# KiCad board panel_rp2354_20x20.kicad_pcb (continued)
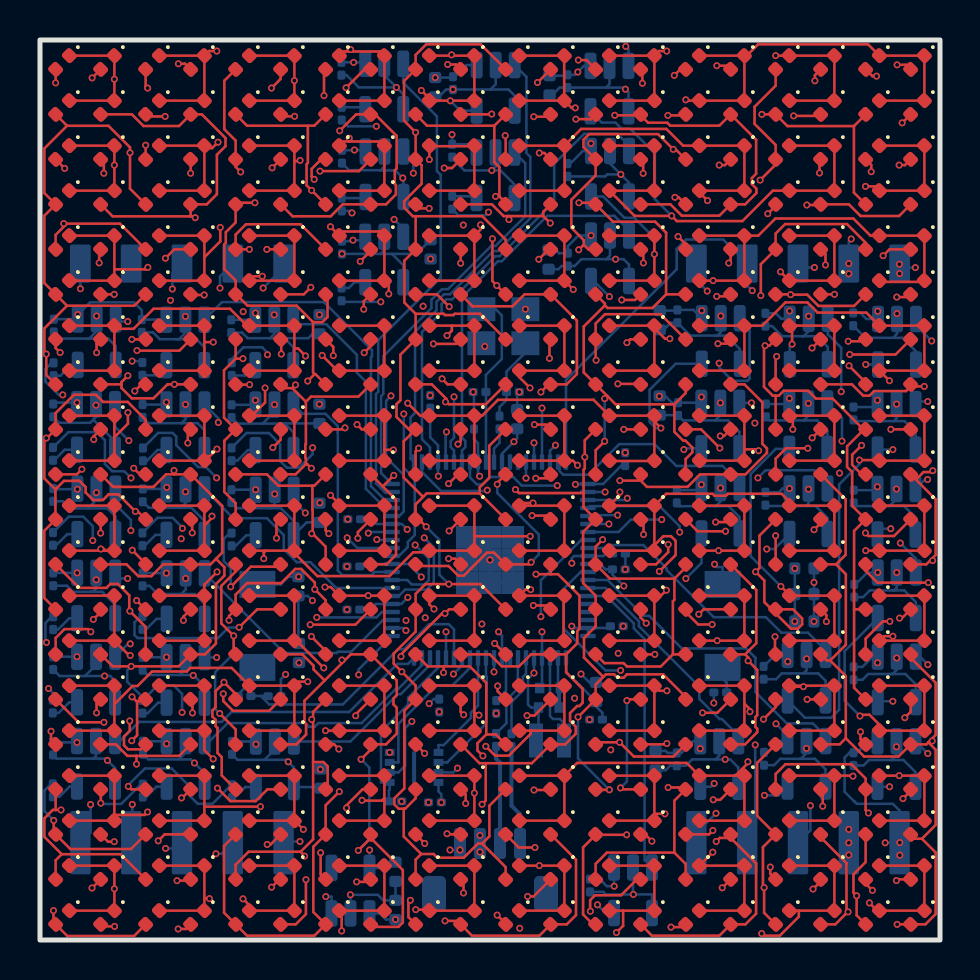
[diagram p0: board, top side]
## Routing (per net, layer and track width the routed paths; a pad name or vN(x,y) marks a point on that pad's centre or on a via; arc(x,y) is an arc through that point) (continued)
  In2.Cu w0.127: v1(42.47,27.96) 42.27,27.76 42.27,25.78 42.11,25.62 42.11,25.32 42.27,25.16 42.27,20.81 42.17,20.72 42.17,19.46 42.27,19.36 42.27,16.22 42.13,16.08 42.13,15.78 42.27,15.64 42.27,7.87 v1(42.48,7.66)
  Bottom w0.127: U39.5 v1(42.48,7.66)
/drivers/ROW_17: length 98.3
  Top w0.127: 17.22,33.06 D158.1 D138.1 ; 17.22,33.06 D118.1 17.01,35.43 15.18,35.43 D98.1 ; 17.22,33.06 17.44,32.84 v1(17.44,32.3) ; D58.1 D78.1 8.22,34.14 ; D18.1 D38.1 8.22,34.14 ; 8.22,34.14 9.01,34.93 v1(9.01,35.63) ; D238.1 26.22,32.97 26.22,35.22 D198.1 D178.1 ; D238.1 D218.1 ; D238.1 v1(26.66,32.52) ; D298.1 v1(33.66,32.97) D318.1 D278.1 ; D278.1 35.91,35.22 36.77,36.07 40.67,36.07 41.52,35.22 D338.1 D358.1 D398.1 44.16,32.91 42.03,32.91 D378.1 ; D278.1 D258.1 ; v1(14.52,35.66) D98.1 ; D98.1 14.97,35.02
  In1.Cu w0.127: v1(14.52,35.66) 14.49,35.63 v1(9.01,35.63) ; v1(17.44,32.3) 17.5,32.36 19.46,32.36 19.52,32.3 26.44,32.3 v1(26.66,32.52) 27.11,32.97 v1(33.66,32.97)
  In2.Cu w0.127: v1(33.66,32.97) 34.69,31.93 34.69,14.48 34.53,14.32 34.53,10.49 33.34,9.3 33.34,7.68 33.64,7.38 36.08,7.38 v1(36.22,7.23)
  Bottom w0.127: U40.5 36.94,7.23 v1(36.22,7.23)
/drivers/ROW_18: length 108.9
  Top w0.127: v1(15.46,40.09) 15.46,39.93 ; 15.46,39.93 15.18,39.93 D99.1 ; 15.46,39.93 17.01,39.93 D119.1 D159.1 D139.1 ; D339.1 D359.1 D399.1 D379.1 41.76,37.68 v1(41.28,37.68) ; v1(8.9,39.89) 8.6,39.6 8.22,39.6 ; 8.22,39.6 D79.1 D59.1 ; 8.22,39.6 D39.1 D19.1 ; D199.1 26.23,39.71 26.23,37.48 D239.1 D219.1 ; D199.1 27.05,40.55 31.32,40.55 32.15,39.72 D259.1 D279.1 D319.1 D299.1 32.97,37.38 v1(33.38,36.97) ; D199.1 D179.1
  In1.Cu w0.127: v1(8.9,39.89) 9.1,40.09 v1(15.46,40.09) 15.53,40.02 19.31,40.02 21.53,37.8 32.55,37.8 v1(33.38,36.97) 33.98,37.58 41.17,37.58 v1(41.28,37.68)
  In2.Cu w0.127: v1(33.38,36.97) 34.95,35.4 34.95,14.38 34.79,14.22 34.79,8.9 v1(33.71,7.83)
  Bottom w0.127: v1(33.71,7.83) 33.55,7.66 U41.5
/drivers/ROW_19: length 110.2
  Top w0.127: D240.1 26.21,41.98 26.21,44.21 D200.1 D180.1 ; D240.1 D220.1 ; D240.1 26.58,41.61 v1(26.76,41.61) ; v1(8.84,44.45) 8.45,44.45 D40.1 ; D100.1 15.18,44.43 15.32,44.43 ; D380.1 D400.1 D360.1 D340.1 41.4,44.78 35.91,44.78 35.22,44.1 ; D260.1 D280.1 35.22,44.1 ; v1(15.53,44.52) 15.41,44.52 15.32,44.43 ; 15.32,44.43 17.01,44.43 D120.1 D160.1 D140.1 ; 35.22,44.1 D320.1 D300.1 32.33,41.97 v1(32.29,42.01) ; D40.1 D80.1 D60.1 ; D40.1 D20.1
  In1.Cu w0.127: v1(8.84,44.45) 8.91,44.52 v1(15.53,44.52) 18.87,44.52 20.09,43.3 23.18,43.3 24.88,41.61 v1(26.76,41.61) 31.89,41.61 v1(32.29,42.01)
  In2.Cu w0.127: v1(26.76,41.61) 27.96,40.41 27.96,30.7 28.21,30.44 28.21,27.56 27.61,26.97 27.61,20.02 27.87,19.76 v1(27.87,1.76)
  Bottom w0.127: v1(27.87,1.76) 28.28,1.35 U42.5
/drivers/ROW_MCU_00: length 23
  Bottom w0.127: U2.21 18.53,24.07 18.53,26.13 18.75,26.35 18.75,30.41 19.83,31.49 19.83,31.91 20.2,32.29 20.5,32.29 22.66,34.45 22.88,34.45 24.52,36.08 24.52,39.16 24.32,39.35 24.32,43.16 23.73,43.74
/drivers/ROW_MCU_01: length 30.7
  In2.Cu w0.127: v1(29.29,44.68) 26.39,41.78 26.39,38.32 21.85,33.78 21.85,29.51 22.36,29 v1(22.36,22.49)
  Bottom w0.127: U24.3 29.42,44.54 v1(29.29,44.68) ; U2.22 19.1,23.4 20.05,22.45 22.32,22.45 v1(22.36,22.49)
/drivers/ROW_MCU_02: length 23
  Bottom w0.127: U2.23 19.5,24.64 19.1,25.04 19.1,30.4 20.08,31.38 20.08,31.8 20.31,32.03 20.61,32.03 22.77,34.19 22.98,34.19 25.71,36.92 25.71,38.81 27.21,40.31 28.86,40.31 29.45,39.72 U25.3
/drivers/ROW_MCU_03: length 26.1
  In1.Cu w0.127: v1(20.32,25.4) 26.01,25.4 27.1,26.49 34.17,26.49 35.16,27.48 39.99,27.48 v1(40.06,27.41)
  Bottom w0.127: v1(20.32,25.4) 20.28,25.36 20.28,23.92 U2.25 ; U26.3 39.39,30.28 40.06,29.61 v1(40.06,27.41)
/drivers/ROW_MCU_04: length 22.6
  In1.Cu w0.127: v1(33.96,28.84) 28.69,28.84 28.45,28.6 22.14,28.6 v1(20.7,27.16)
  Bottom w0.127: U27.3 35.48,30.6 35.48,28.07 35.37,27.96 34.63,27.96 33.96,28.63 v1(33.96,28.84) ; v1(20.7,27.16) 20.7,25.11 20.53,24.95 20.53,24.64 20.7,24.48 U2.26
/drivers/ROW_MCU_05: length 19
  Bottom w0.127: U2.27 21.1,24.48 21.27,24.64 21.27,24.95 21.1,25.11 21.1,32.14 22.9,33.94 23.09,33.94 25.36,36.21 28.72,36.21 29.45,35.48 U28.3
/drivers/ROW_MCU_06: length 25.8
  In1.Cu w0.127: v1(40.1,24.95) 40.68,24.36 41.14,24.36 41.4,24.11 41.4,23.9 41.11,23.61 40.25,23.61 40.14,23.72 34.33,23.72 34.09,23.49 29.08,23.49 28.96,23.36 26.51,23.36 v1(25.86,22.72)
  Bottom w0.127: v1(25.86,22.72) 24.09,22.72 23.66,23.15 22.51,23.15 22.13,22.78 21.85,22.78 21.5,23.13 U2.28 ; v1(40.1,24.95) 40.1,26.1 U29.3
/drivers/ROW_MCU_07: length 13.3
  In1.Cu w0.127: v1(24.7,24.86) 24.98,25.14 27.3,25.14 28.39,26.24 34.95,26.24 v1(35.57,26.86)
  Bottom w0.127: U30.3 v1(35.57,26.86) ; U2.36 v1(24.7,24.86)
/drivers/ROW_MCU_08: length 25.1
  In1.Cu w0.127: v1(44.58,29.95) 42.97,28.34 29.24,28.34 29.15,28.43 28.64,28.43 28.55,28.34 26.84,28.34 v1(25.1,26.6)
  Bottom w0.127: U31.3 43.8,30.73 v1(44.58,29.95) ; U2.37 v1(25.1,26.6)
/drivers/ROW_MCU_09: length 18.6
  In1.Cu w0.127: v1(35.74,25.85) 35.6,25.98 28.76,25.98 27.65,24.87 25.9,24.87 v1(25.77,24.74)
  In2.Cu w0.127: v1(35.74,25.85) 35.57,25.67 35.57,23.44 v1(35.9,23.1)
  Bottom w0.127: v1(25.77,24.74) 25.5,24.47 U2.38 ; U32.3 39.38,22.83 38.72,23.49 36.28,23.49 v1(35.9,23.1)
/drivers/ROW_MCU_10: length 11.2
  Bottom w0.127: U2.39 25.98,23.82 25.98,23.45 26.16,23.27 27.43,23.27 28.96,24.79 30.73,24.79 31.82,23.7 34.12,23.7 34.97,22.85 U33.3
/drivers/ROW_MCU_11: length 20.4
  In1.Cu w0.127: v1(28.88,21.24) 29.39,21.24 30.55,22.4 33.22,22.4 33.79,22.98 35.51,22.98 35.75,22.74 36.05,22.74 36.29,22.98 40.83,22.98 41.65,23.8 41.65,24.13 44.39,26.86 v1(44.39,26.92)
  Bottom w0.127: v1(44.39,26.92) 43.91,26.92 U34.3 ; U2.45 27.44,21.24 v1(28.88,21.24)
/drivers/ROW_MCU_12: length 17.9
  In1.Cu w0.127: v1(43.02,19.85) 36.56,19.85 36.49,19.91 34.25,19.91 33.39,20.77 31.81,20.77 31.7,20.66 28.59,20.66 v1(28.45,20.8)
  Bottom w0.127: U2.46 v1(28.45,20.8) ; v1(43.02,19.85) 43.79,19.08 U35.3
/drivers/ROW_MCU_13: length 18.9
  In1.Cu w0.127: v1(31.09,21.02) 31.33,21.26 42.62,21.26 v1(44.38,23.02)
  Bottom w0.127: v1(31.09,21.02) 29.55,21.02 28.92,20.4 U2.47 ; U36.3 44.25,23.02 v1(44.38,23.02)
/drivers/ROW_MCU_14: length 28.7
  In1.Cu w0.127: v1(44.39,13.77) 44.39,12.79 42.92,11.31 41.88,11.31 39.76,13.44 30.44,13.44 27.71,16.17 v1(25.04,16.17)
  Bottom w0.127: U2.48 27.06,20 25.04,17.99 v1(25.04,16.17) ; U37.3 43.99,14.17 v1(44.39,13.77)
/drivers/ROW_MCU_15: length 14.4
  Bottom w0.127: U38.3 39.28,14.48 38.4,15.37 37.07,15.37 36.29,16.14 33.69,16.14 31.33,18.5 31.33,18.58 30.17,19.75 28.38,19.75 28.23,19.6 U2.49
/drivers/ROW_MCU_16: length 25.2
  In1.Cu w0.127: v1(29.03,13.48) 29.39,13.12 39.68,13.12 42.34,10.46 43.26,10.46 v1(44.39,9.32)
  Bottom w0.127: v1(29.03,13.48) 28.27,13.48 26.19,15.56 26.19,17.56 27.03,18.4 U2.52 ; v1(44.39,9.32) U39.3
/drivers/ROW_MCU_17: length 16.4
  Bottom w0.127: U2.53 28.38,18 30.17,16.21 30.46,16.21 32.09,14.58 35.3,14.58 35.77,14.11 35.77,12.4 37.34,10.83 38.64,10.83 39.28,10.2 U40.3
/drivers/ROW_MCU_18: length 11.4
  Bottom w0.127: U2.54 28.28,17.6 29.94,15.93 29.94,15.69 32.97,12.67 32.97,12.06 33.97,11.05 34.09,11.05 34.91,10.23 U41.3
/drivers/ROW_MCU_19: length 15.4
  Bottom w0.127: U42.3 30.23,4 30.23,15.05 29.69,15.58 29.69,15.83 28.32,17.2 U2.55
/panel_header/CS0: length 32.8
  In1.Cu w0.127: v1(28.54,9.51) 27.45,8.42 21.38,8.42 21.12,8.17 16.32,8.17 13.09,4.93 v1(13,4.93)
  In2.Cu w0.127: v1(28.54,9.51) 28.54,20.37 29.3,21.13 29.3,21.36 v1(28.25,22.4)
  Bottom w0.127: J3.5 12.24,4.93 v1(13,4.93) ; U2.42 v1(28.25,22.4)
/panel_header/CS1: length 36.4
  In2.Cu w0.127: v1(8.8,4.31) 8.8,6.27 4.48,10.59 4.34,10.59 4.07,10.85 4.07,11.25 4,11.32 4,12.57 4.12,12.69 4.12,17.14 4.01,17.25 4.01,18.78 4.18,18.95 4.18,24.72 4.08,24.82 4.08,25.52 6.29,27.73 6.29,28.07 10.82,32.6 v1(11.16,32.6)
  Bottom w0.127: v1(11.16,32.6) 12.18,33.62 J5.5 ; J3.4 9.09,4.31 v1(8.8,4.31)
/panel_header/CS2: length 33.9
  In2.Cu w0.127: v1(9,32.6) 9,32.23 3.82,27.05 3.82,24.71 3.92,24.61 3.92,19.06 3.75,18.89 3.75,16.85 3.87,16.73 3.87,12.8 3.74,12.67 3.74,11.22 3.82,11.14 3.82,10.18 4.84,9.16 4.98,9.16 6.28,7.86 v1(6.28,4.58)
  Bottom w0.127: v1(6.28,4.58) 6.81,4.58 J3.3 ; v1(9,32.6) 9,33.18 J5.4
/panel_header/CS4: length 31.2
  In2.Cu w0.127: v1(6.62,32.55) 6.54,32.55 3.57,29.58 3.57,20.97 3.67,20.87 3.67,19.16 3.5,18.99 3.5,16.75 3.61,16.63 3.61,13.03 3.49,12.9 3.49,11.11 3.56,11.04 3.56,9.63 4.05,9.14 4.05,7.35 v1(4.61,6.78)
  Bottom w0.127: v1(6.62,32.55) 6.62,33.34 J5.3 ; v1(4.61,6.78) 4.61,4.92 J3.2
/panel_header/EINT: length 29.7
  In2.Cu w0.127: v1(2.53,6.77) 2.26,7.05 2.26,15.18 2.18,15.26 2.18,15.56 2.26,15.64 2.26,20.24 2.19,20.31 2.19,20.92 2.26,20.99 2.26,23.18 2.46,23.39 2.46,23.69 2.26,23.9 2.26,32.33 v1(2.02,32.56)
  Bottom w0.127: J3.1 2.53,5.37 v1(2.53,6.77) ; v1(2.02,32.56) J5.1
/panel_header/MISO: length 36.5
  In2.Cu w0.127: v1(33.8,6.33) 32.32,7.81 32.32,16.19 32.67,16.53 32.67,19.71 v1(31.98,20.39) 32.57,20.98 32.57,31.66 v1(33.36,32.45)
  Bottom w0.127: v1(31.98,20.39) 31.98,20.68 30.97,21.69 27.49,21.69 U2.44 ; v1(33.36,32.45) 32.82,32.99 J4.1 ; J2.1 32.82,5.35 v1(33.8,6.33)
/panel_header/MOSI: length 47.5
  In2.Cu w0.127: v1(35.76,9.75) 35.04,10.47 35.04,14.11 35.26,14.33 35.26,19.68 36.3,20.72 36.3,28.5 35.61,29.18 v1(35.61,32.47)
  Bottom w0.127: v1(35.61,32.47) 35.36,32.72 J4.2 34.16,35.03 32.3,35.03 31.84,34.56 31.84,33.54 26.3,28 U2.40 ; J2.2 35.76,5.27 v1(35.76,9.75)
/panel_header/SCK: length 45.8
  In1.Cu w0.127: v1(29.36,22.09) 30.51,23.23 35.45,23.23 35.69,23.47 39.85,23.47 v1(39.98,23.35)
  In2.Cu w0.127: v1(38.72,33.62) 38.03,32.93 38.03,23.37 38.05,23.35 ; v1(38.52,6.72) 37.81,7.43 37.81,14.13 38.12,14.44 38.12,22.23 38.05,22.3 38.05,23.35 ; 38.05,23.35 v1(39.98,23.35)
  Bottom w0.127: v1(29.36,22.09) 29.28,22 U2.43 ; J4.3 38.1,33.62 v1(38.72,33.62) ; J2.3 38.52,5.49 v1(38.52,6.72)
/panel_mcu/D+: length 4.9
  Bottom w0.2: R7.1 22.8,9.07 23,8.87 J1.3
/panel_mcu/D-: length 5
  Bottom w0.2: R8.1 23.58,6.72 24,6.29 J1.4
/panel_mcu/QSPI_SCLK: length 6.5
  Bottom w0.127: U2.71 22.3,13.19 22.34,13.15 22.34,10.86 20.36,8.88 U1.6
/panel_mcu/QSPI_SD0: length 5.7
  Bottom w0.127: U1.5 19.92,9.75 20.18,9.75 21.55,11.11 21.55,11.37 21.9,11.72 U2.72
/panel_mcu/QSPI_SD1: length 8.3
  In2.Cu w0.127: v1(20.67,13.3) 20.47,13.1 20.47,11.4 20,10.93 v1(18.59,10.93)
  Bottom w0.127: U2.74 21.1,13.73 v1(20.67,13.3) ; U1.2 17.92,8.38 18.26,8.72 18.26,10.6 v1(18.59,10.93)
/panel_mcu/QSPI_SD2: length 7.6
  Bottom w0.127: U1.3 17.92,8.88 17.92,10.81 19.85,12.74 20.63,12.74 21.5,13.61 U2.73
/panel_mcu/QSPI_SD3: length 7.4
  In2.Cu w0.127: v1(20.87,8.59) 20.82,8.65 20.82,11.52 v1(22.7,13.4)
  Bottom w0.127: U2.70 v1(22.7,13.4) ; v1(20.87,8.59) 20.66,8.38 U1.7
/panel_mcu/QSPI_SS: length 13.9
  Bottom w0.127: U2.75 20.7,15.53 20.44,15.79 19.45,15.79 18.2,14.53 17.9,14.53 15.14,11.78 11.46,11.78 11.04,12.2 ; R3.1 11.04,12.2 ; 11.04,12.2 11.4,12.2 R4.2
/panel_mcu/RUN: length 13.4
  In1.Cu w0.127: v1(33.73,18.79) 33.11,19.41 30.24,19.41 30.24,19.42 27.94,19.42 24.3,23.06 v1(24.3,23.09)
  Bottom w0.127: v1(33.73,18.79) 33.87,18.65 34.13,18.65 SW2.2 ; U2.35 v1(24.3,23.09)
/panel_mcu/VREG_AVDD: length 3.8
  Bottom w0.127: R6.2 28.12,11.36 27.8,11.68 C7.1 26.79,12.93 26.78,12.93 26.3,13.41 U2.61
/panel_mcu/VREG_LX: length 4.6
  Bottom w0.127: L1.2 26.2,10.85 26,11.05 25.65,11.05 25.5,11.2 U2.63
/panel_mcu/XIN: length 8.8
  Bottom w0.127: U2.30 22.3,27.39 22.3,27.4 22.3,27.5 ; 22.3,27.5 22.3,27.5 ; 22.3,27.5 22.3,28.25 23.09,29.05 23.09,31.23 22.78,31.54 Y1.1
/panel_mcu/XIP_CS1n: length 8.8
  Bottom w0.127: 17.44,6.93 17.44,7.47 17.48,7.51 U1.1 17.05,7.88 17.05,10.42 18.41,11.78 18.41,12.11 19.9,13.61 U2.77
/panel_mcu/XOUT: length 1.8
  Bottom w0.127: U2.31 22.7,24.58 22.97,24.85 R5.1
/panel_mcu/~{USB_BOOT}: length 1.8
  Bottom w0.127: SW1.2 10.87,13.24 9.91,12.28 R3.2
Net-(C2-Pad1): length 4.2
  Bottom w0.127: R5.2 22.97,26.65 23.33,27 C2.1 23.33,28.42 24.27,29.37 Y1.3
Net-(D1-A): length 105.2
  Top w0.127: D19.2 5.28,39.74 v1(5.28,39.74) ; 0.78,6.5 v1(1.05,6.5) ; 0.78,6.5 D9.2 ; 0.78,6.5 0.64,6.5 0.22,6.08 0.22,5.16 1.09,4.29 ; D20.2 5.28,42.7 v1(5.38,42.6) ; v1(4.83,16.97) 5.27,16.53 D14.2 ; D11.2 4.02,4.29 1.09,4.29 ; 0.77,22.53 0.22,23.08 0.22,25 v1(0.32,25.1) 0.35,25.1 D5.2 0.78,26.35 1.69,27.26 2.8,27.26 3.15,26.9 4.39,26.9 5.28,26.01 D16.2 ; 0.77,22.53 1.2,22.96 1.97,22.96 2.28,22.65 2.28,22.38 2.66,22 3.15,22 3.43,22.28 3.92,22.28 v1(4.77,21.43) 4.89,21.43 D15.2 ; 0.77,22.53 0.77,21.04 D6.2 0.21,20.46 0.21,17.1 D7.2 ; D4.2 0.78,29.6 v1(1.01,29.37) ; 4.86,11.94 4.86,10.23 v1(4.59,9.96) ; 4.86,11.94 5.19,11.94 D13.2 ; 4.86,11.94 4.82,11.94 v1(4.6,12.16) ; D17.2 v1(4.6,30.03) ; v1(0.78,42.86) D1.2 ; 1.27,35.74 0.78,35.26 D3.2 ; 1.27,35.74 1.34,35.82 4,35.82 D18.2 ; 1.27,35.74 v1(1.19,35.82) ; 1.09,4.29 0.78,3.99 D10.2 ; D2.2 v1(1.23,38.58) ; D8.2 1.93,10.89 v1(3.2,10.89) ; D12.2 4.56,7.53 v1(4.41,7.68)
  In1.Cu w0.127: v1(5.28,39.74) 2.39,39.74 v1(1.23,38.58) ; v1(3.2,10.89) 3.33,10.89 v1(4.6,12.16) ; v1(1.01,29.37) 1.67,30.03 v1(4.6,30.03) ; v1(1.05,6.5) 2.23,7.68 v1(4.41,7.68) 4.41,9.79 v1(4.59,9.96)
  In2.Cu w0.127: v1(5.38,42.6) 5.28,42.5 v1(5.28,39.74) ; v1(0.32,25.1) 0.32,28.68 v1(1.01,29.37) 1.19,29.55 v1(1.19,35.82) 1.23,35.87 v1(1.23,38.58) D2.2 v1(0.78,42.86) ; v1(4.77,21.43) 5.08,21.12 5.08,17.22 v1(4.83,16.97) 5.02,16.78 5.02,12.57 v1(4.6,12.16)
  Bottom w0.127: R9.2 9.58,7.77 8.63,6.81 7.88,6.81 7.36,7.34 7.36,7.8 6.58,8.57 5.24,8.57 4.41,7.74 v1(4.41,7.68)
Net-(D21-A): length 103.7
  Top w0.127: D35.2 7.61,20.95 v1(7.61,20.36) ; v1(7.39,24.85) 7.39,25.39 D36.2 ; D23.2 2.96,34.46 v1(2.96,33.86) ; v1(7.53,38.34) D39.2 ; D27.2 3.03,16.4 v1(2.67,16.03) ; D25.2 2.69,25.19 v1(2.69,25.02) ; D22.2 3.19,38.87 v1(3.19,38.34) ; v1(2.83,29.37) 2.83,29.83 D24.2 ; D33.2 7.62,11.94 v1(7.62,11.35) ; v1(3.03,20.34) D26.2 ; D32.2 7.1,7.1 v1(7.07,7.1) ; v1(6.92,43.81) 7.25,43.81 D40.2 ; D31.2 7.47,2.97 v1(6.85,2.97) ; v1(3.04,6.85) 3.04,7.52 D29.2 ; v1(7.17,15.98) 7.17,16.17 D34.2 ; v1(4.85,29.47) 4.85,29.47 6.97,29.47 D37.2 ; D38.2 6.72,34.53 v1(6.27,34.09) ; D21.2 v1(2.6,43.1) ; D28.2 2.83,11.83 v1(2.83,11.36) ; D30.2 v1(2.6,2.6)
  In1.Cu w0.127: v1(6.92,43.81) 3.31,43.81 v1(2.6,43.1) ; v1(2.83,29.37) 2.94,29.47 v1(4.85,29.47) ; v1(6.27,34.09) 3.19,34.09 v1(2.96,33.86) ; v1(7.62,11.35) 7.07,10.8 v1(7.07,7.1) 7.03,7.15 3.34,7.15 v1(3.04,6.85) ; v1(7.17,15.98) 7.12,16.03 v1(2.67,16.03)
  In2.Cu w0.127: 2.83,16.03 2.91,15.95 2.91,15.26 2.83,15.18 v1(2.83,11.36) 2.83,7.06 v1(3.04,6.85) 3.04,3.04 v1(2.6,2.6) ; 2.83,16.03 2.67,16.03 v1(2.67,16.03) ; 2.83,16.03 3.21,16.41 3.21,19.15 3.42,19.36 3.42,19.96 v1(3.03,20.34) 3.22,20.53 3.22,24.96 3.15,25.02 ; v1(2.6,43.1) 2.6,38.92 v1(3.19,38.34) 2.96,38.1 v1(2.96,33.86) 3.2,33.62 3.2,29.73 v1(2.83,29.37) 3.21,28.98 3.21,25.09 3.15,25.02 ; v1(7.07,7.1) 7.07,3.19 v1(6.85,2.97) ; 3.15,25.02 2.69,25.02 v1(2.69,25.02) ; v1(7.39,24.85) 7.67,24.57 7.67,20.41 v1(7.61,20.36) 7.71,20.26 7.71,16.52 v1(7.17,15.98) ; v1(7.53,38.34) 6.27,37.08 v1(6.27,34.09)
  Bottom w0.127: v1(3.04,6.85) 3.09,6.8 4.06,6.8 5.05,7.79 R10.2
Net-(D41-A): length 119.3
  Top w0.127: D55.2 5.28,18.82 v1(4.61,19.49) ; D58.2 4.71,31.71 1.35,31.71 ; D45.2 1.84,23.28 v1(2.1,23.54) ; D48.2 0.55,10.01 v1(0.55,10.44) ; 1.35,31.71 0.22,30.58 0.22,29.39 v1(0.31,29.3) 0.31,28.25 D44.2 ; 1.35,31.71 D43.2 0.22,32.85 0.22,36.22 D42.2 0.22,37.35 0.22,39.58 1.35,40.71 ; D41.2 1.35,40.71 ; 1.35,40.71 3.42,40.71 4.5,39.63 v1(4.5,39.36) 4.5,37.56 D59.2 ; v1(2.54,15.41) 2.41,15.54 1.22,15.54 0.78,15.1 D47.2 ; D54.2 5.28,15.66 v1(4.49,16.45) 4.46,16.48 4.46,17.23 3.9,17.8 3.51,17.8 3.32,17.61 1.96,17.61 D46.2 ; D52.2 4.55,4.55 1.51,4.55 D49.2 0.69,5.38 v1(0.69,5.98) ; D57.2 5.07,27.78 v1(4.74,27.45) ; D60.2 5.39,41.18 v1(6.26,41.18) ; v1(4.69,23.59) 4.99,23.28 D56.2 ; D51.2 4.7,0.2 1.36,0.2 D50.2 0.67,0.89 v1(0.67,1.47) ; v1(4.49,10.95) 4.49,10.46 4.2,10.18 4.2,9.73 4.4,9.53 5.03,9.53 D53.2
  In1.Cu w0.127: v1(0.69,5.98) 0.69,5.98 0.69,7.15 v1(4.49,10.95) ; 2.16,23.6 v1(2.1,23.54) 1.44,22.88 1.44,17.31 2.3,16.45 ; 2.16,23.6 4.67,23.6 v1(4.69,23.59) ; 2.16,23.6 0.72,25.05 0.72,27.63 ; v1(0.31,29.3) 0.31,28.04 0.72,27.63 ; 0.72,27.63 4.56,27.63 v1(4.74,27.45) ; v1(2.54,15.41) 2.3,15.65 2.3,16.45 ; 2.3,16.45 v1(4.49,16.45)
  In2.Cu w0.127: v1(0.67,1.47) 0.69,1.48 v1(0.69,5.98) 0.69,5.98 0.69,10.44 ; 0.69,10.44 0.8,10.55 0.8,22.24 v1(2.1,23.54) ; 0.69,10.44 v1(0.55,10.44) ; v1(6.26,41.18) 6.26,40.17 5.45,39.36 v1(4.5,39.36) ; v1(4.61,19.49) 4.78,19.32 4.78,17.91 4.42,17.55 4.42,16.52 v1(4.49,16.45)
  Bottom w0.127: R11.2 0.55,7.81 0.22,7.48 0.22,6.44 v1(0.69,5.98)
Net-(D61-A): length 102.8
  Top w0.127: 4.07,27.78 4.07,27.6 4.59,27.08 5.67,27.08 6.37,27.78 v1(6.72,27.78) D77.2 ; 4.07,27.78 4.07,27.89 v1(4.39,28.22) ; 4.07,27.78 D64.2 ; 8.8,19.06 8.53,18.78 D75.2 6.16,18.78 5.57,18.19 4.91,18.19 4.32,18.78 D66.2 ; 8.8,19.06 9.11,19.37 9.11,21.7 D76.2 6.7,23.28 ; 8.8,19.06 9.22,18.64 9.22,18.22 8.8,17.8 8.8,14.82 8.25,14.28 D74.2 6.93,13.68 v1(4.56,13.68) 3.63,13.68 D67.2 ; 7.53,36.18 7.69,36.18 v1(7.76,36.11) ; 7.53,36.18 3.63,36.18 D62.2 ; 7.53,36.18 D79.2 8.34,36.78 8.84,37.29 8.84,39.26 9.27,39.69 9.27,40.1 8.09,41.28 D80.2 6.95,40.7 5.18,40.7 4.59,41.28 D61.2 ; D71.2 7.3,0.55 v1(6.91,0.55) ; D68.2 3.79,9.78 4.37,9.21 4.82,9.21 ; D73.2 6.96,9.21 4.82,9.21 ; 6.7,23.28 6.3,23.28 5.68,22.66 3.66,22.66 D65.2 ; 6.7,23.28 v1(6.7,23.48) ; v1(8.21,32.25) 7.56,32.25 D78.2 ; D72.2 6.23,5.28 v1(5.91,4.96) ; 4.82,9.21 v1(4.82,8.8) ; v1(3.73,0.68) 3.14,0.68 D70.2 ; D69.2 3.4,4.91 v1(3.71,4.91) ; D63.2 v1(3.71,32.28)
  In1.Cu w0.127: v1(4.82,8.8) 4.82,9.1 v1(7.1,11.38) ; 6.52,32.13 8.09,32.13 v1(8.21,32.25) ; 6.52,32.13 3.86,32.13 v1(3.71,32.28) ; 6.52,32.13 v1(6.52,31.98) ; v1(5.91,4.96) 5.87,4.91 v1(3.71,4.91) ; v1(3.73,0.68) 6.78,0.68 v1(6.91,0.55)
  In2.Cu w0.127: v1(4.39,28.22) 6.52,30.35 v1(6.52,31.98) ; v1(4.82,8.8) 5,8.62 5,6.2 v1(3.71,4.91) 3.32,4.52 3.32,1.09 v1(3.73,0.68) ; v1(7.76,36.11) 7.76,32.7 v1(8.21,32.25) ; v1(6.7,23.48) 6.7,27.76 v1(6.72,27.78)
  Bottom w0.127: v1(7.1,11.38) 7.1,12.31 6.68,12.73 5.87,12.73 R12.2 5.12,12.15 4.36,12.91 4.36,13.48 v1(4.56,13.68)
Net-(D100-A): length 115.5
  Top w0.127: D91.2 14.03,3.28 v1(14.03,4.37) ; 9.78,29.07 9.2,28.49 9.2,26.11 D85.2 9.22,24.97 9.22,22.41 9.78,21.84 D86.2 ; 9.78,29.07 D84.2 ; 9.78,29.07 v1(10.15,29.07) ; 13.65,11.03 13.65,8.9 ; 13.65,11.03 13.65,11.4 D93.2 ; 13.65,11.03 v1(13.59,11.03) ; 13.65,8.9 14.17,8.9 14.39,8.68 14.39,7.64 D92.2 ; 13.65,8.9 13.65,5.04 13.03,4.41 ; 9.21,12.88 v1(9.2,12.89) ; 9.21,12.88 9.78,12.31 D88.2 ; 9.21,12.88 8.78,12.44 8.78,11.64 8.62,11.48 8.62,11.17 8.78,11.01 8.78,10.7 8.88,10.6 8.88,9.35 9.09,9.14 9.09,8.23 D89.2 ; 13.03,4.41 10.43,4.41 9.78,3.77 D90.2 ; 13.03,4.41 13.23,4.21 v1(13.23,4.19) ; D81.2 9.22,42.97 9.22,40.54 9.78,39.97 D82.2 9.78,38.66 v1(10.03,38.4) ; D97.2 14.66,29.65 v1(14.66,29.22) ; v1(9.45,15.99) 9.45,16.2 D87.2 9.78,17.27 10.35,17.84 12.06,17.84 12.76,18.55 13.06,18.55 13.74,17.87 v1(13.74,17.53) 14.28,16.99 D94.2 ; D96.2 15.18,25.53 v1(15.25,25.61) ; D100.2 14.2,43.45 v1(14.2,42.22) ; v1(10.47,34.53) D83.2 9.78,35.27 10.3,35.79 13.03,35.79 D98.2 ; v1(14.44,20.32) 14.28,20.48 D95.2 ; v1(13.71,38.03) 13.58,38.16 13.58,38.56 14.06,39.03 D99.2
  In1.Cu w0.127: v1(9.2,12.89) 8.89,12.57 8.73,12.57 ; v1(10.03,38.4) 10.41,38.03 v1(13.71,38.03) ; v1(13.59,11.03) 9.86,11.03 8.73,12.16 8.73,12.57 ; 8.73,12.57 v1(0.43,12.57) ; v1(14.03,4.37) 13.86,4.19 v1(13.23,4.19)
  In2.Cu w0.127: 10.97,29.07 10.97,30.95 11.26,31.24 11.26,32.01 11.56,32.31 11.56,33.45 v1(10.47,34.53) 10.03,34.97 v1(10.03,38.4) ; 10.97,29.07 v1(10.15,29.07) ; 10.97,29.07 11.2,28.84 14.28,28.84 v1(14.66,29.22) 15.25,28.63 v1(15.25,25.61) 15.25,21.82 14.44,21.01 v1(14.44,20.32) 14.62,20.14 14.62,17.47 14.43,17.28 13.99,17.28 v1(13.74,17.53) ; v1(13.71,38.03) 13.56,38.18 13.56,41.58 v1(14.2,42.22) ; v1(9.2,12.89) 9.27,12.96 9.27,15.81 v1(9.45,15.99)
  Bottom w0.127: v1(0.43,12.57) 0.64,12.36 0.64,12
Net-(D101-A): length 125.8
  Top w0.127: D101.2 12.03,43.05 v1(11.57,42.6) ; D105.2 12.03,25.01 v1(11.64,24.62) ; D104.2 12.06,30 v1(12.06,29.3) ; D110.2 11.97,3.03 v1(11.58,2.64) ; v1(15.85,25.77) 16.09,25.53 D116.2 ; v1(16.01,33.93) 16.53,34.45 D118.2 ; D111.2 16.41,2.91 v1(15.83,2.91) ; D114.2 15.77,15.77 v1(13.51,15.77) ; v1(9.96,15.63) 10.85,16.53 D107.2 ; D119.2 15.94,38.44 v1(14,38.44) ; D109.2 11.37,7.53 10.78,6.94 9.52,6.94 v1(8.87,7.59) ; v1(9.16,12.31) 9.16,11.95 9.65,11.46 11.46,11.46 D108.2 ; v1(15.33,6.6) 15.33,6.74 16.12,7.53 D112.2 ; v1(15.89,20.09) 15.89,20.39 D115.2 ; D103.2 v1(11.34,34.53) ; v1(16.21,29.36) 16.53,29.68 D117.2 ; v1(15.79,11.21) 15.79,11.29 D113.2 ; D102.2 v1(11.61,38.61) ; v1(15.3,42.61) 16.22,43.53 D120.2 ; v1(11.82,20.09) 11.82,20.82 D106.2
  In1.Cu w0.127: v1(15.79,11.21) 14.94,12.06 9.42,12.06 v1(9.16,12.31) ; v1(9.96,15.63) 10.09,15.77 v1(13.51,15.77) ; v1(14,38.44) 13.84,38.61 v1(11.61,38.61) ; v1(11.82,20.09) 12.08,20.09 12.48,19.7 15.5,19.7 v1(15.89,20.09) ; v1(15.3,42.61) 15.29,42.6 v1(11.57,42.6) ; v1(11.58,2.64) 15.56,2.64 v1(15.83,2.91)
  In2.Cu w0.127: v1(11.82,20.09) 12.18,20.45 12.18,24.08 v1(11.64,24.62) ; v1(13.51,15.77) 14.07,15.77 15.89,17.59 15.89,20.09 ; 11.57,38.61 11.34,38.37 v1(11.34,34.53) 13.17,32.7 13.17,32.48 13.39,32.27 13.61,32.27 13.98,31.9 ; 11.57,38.61 v1(11.61,38.61) ; 11.57,38.61 v1(11.57,42.6) ; 13.98,31.9 13.98,31.89 13.98,31.82 ; 13.98,31.9 v1(16.01,33.93) ; 13.98,31.82 16.21,29.59 v1(16.21,29.36) 15.85,29 v1(15.85,25.77) 15.89,25.73 15.89,20.09 ; 13.98,31.82 12.06,29.9 v1(12.06,29.3) ; 15.89,20.09 v1(15.89,20.09) ; v1(11.58,2.64) 10.65,3.56 10.65,6.82 ; 10.65,6.82 9.88,7.59 v1(8.87,7.59) ; 10.65,6.82 12.32,8.49 13.06,8.49 v1(15.79,11.21) ; v1(15.83,2.91) 15.33,3.41 v1(15.33,6.6) ; v1(9.16,12.31) 10.07,13.22 10.07,15.52 v1(9.96,15.63)
  Bottom w0.127: v1(9.96,15.63) 9.94,15.62 9.42,15.62 8.9,15.1 4.88,15.1 4.72,15.25 4.72,15.88 5.02,16.17 R14.2
Net-(D121-A): length 109.8
  Top w0.127: 13.39,40.71 13.71,40.71 D140.2 ; 13.39,40.71 13.39,38.85 13.33,38.79 13.33,37.73 v1(13.58,37.48) D139.2 ; 13.39,40.71 10.35,40.71 D121.2 ; D134.2 14.28,14.46 v1(13.57,15.17) ; D125.2 11.34,23.28 11.91,22.71 13.62,22.71 ; 13.62,22.71 13.71,22.71 D136.2 ; 13.62,22.71 13.62,21.51 13.63,21.5 13.63,20.32 ; D137.2 13.77,28.29 13.73,28.29 ; 13.63,20.32 v1(13.59,20.32) ; 13.63,20.32 14.28,19.67 D135.2 ; D124.2 9.8,27.77 v1(10.48,27.77) ; D138.2 14.38,32.19 14.38,31.15 14.12,30.89 13.65,30.89 ; v1(14.97,7.42) 14.28,6.73 D132.2 13.66,4.66 13.66,1.4 D131.2 13.72,0.22 10.35,0.22 D130.2 9.2,1.36 9.2,4.7 D129.2 ; v1(8.99,11.32) 9.78,10.53 D128.2 ; 13.73,28.29 v1(13.39,27.95) ; 13.73,28.29 13.65,28.37 13.65,30.89 ; 13.65,30.89 12.83,31.72 10.38,31.72 9.81,32.28 D123.2 9.78,32.97 9.21,33.54 9.21,34.77 9.29,34.85 9.29,35.39 9.78,35.88 D122.2 9.86,36.86 v1(10.75,36.86) ; D126.2 9.78,18.42 9.07,17.71 9.07,15.83 v1(9.69,15.21) 9.69,14.38 D127.2 ; v1(14.94,9.55) 14.71,9.78 D133.2
  In1.Cu w0.127: v1(0.32,14.88) 3.7,14.88 4.2,15.38 8.48,15.38 8.65,15.21 v1(9.69,15.21) 13.53,15.21 v1(13.57,15.17) ; v1(10.75,36.86) 12.96,36.86 v1(13.58,37.48) ; v1(10.48,27.77) 10.83,28.12 12.92,28.12 13.09,27.95 v1(13.39,27.95) ; v1(8.99,11.32) 9.94,10.37 10.91,10.37 11.74,9.55 v1(14.94,9.55)
  In2.Cu w0.127: v1(14.94,9.55) 14.97,9.52 v1(14.97,7.42) ; v1(13.39,27.95) 13.2,27.77 13.2,21.93 13.67,21.47 13.67,20.4 v1(13.59,20.32) 13.59,17.9 13.1,17.41 13.1,15.64 v1(13.57,15.17)
  Bottom w0.127: v1(0.32,14.88) 0.27,14.93 0.27,15.85 0.58,16.17 R15.2 ; v1(9.69,15.21) 9.69,14.32 8.76,13.39 8.76,11.55 v1(8.99,11.32)
Net-(D141-A): length 125.7
  Top w0.127: D147.2 13.11,14.28 13.68,13.72 13.68,13.53 14.23,12.97 ; D152.2 16.54,5.28 16.54,5.1 ; 13.3,26.91 12.61,27.59 ; 13.3,26.91 13.55,27.17 15.92,27.17 D157.2 ; 13.3,26.91 13.3,24.8 13.26,24.76 13.26,24.13 13.3,24.1 13.3,23.8 ; 12.61,27.59 12.22,27.59 D144.2 ; 12.61,27.59 v1(12.77,27.75) ; 13.3,23.8 12.78,23.28 D145.2 ; 13.3,23.8 13.36,23.8 v1(13.57,23.59) ; D155.2 17.33,18.78 17.8,19.25 17.8,22.02 17.14,22.68 ; v1(13.54,32.63) 13.19,32.28 D143.2 ; v1(11.36,4.78) 11.53,4.78 D149.2 ; 14.23,12.97 15.18,13.92 ; 14.23,12.97 13.22,11.97 13.22,10.88 13.3,10.8 13.3,10.27 12.81,9.78 D148.2 ; 15.18,13.92 15.54,14.28 D154.2 17.84,12.98 17.84,12.24 17.67,12.08 17.67,11.78 17.84,11.62 17.84,10.32 17.3,9.78 D153.2 16.53,9.52 v1(16.05,9.04) ; 15.18,13.92 v1(15.1,14) ; D142.2 12.63,36.19 14.54,36.19 15.13,36.78 D159.2 17.3,36.78 17.8,37.28 17.8,37.75 17.74,37.8 17.74,38.48 17.83,38.58 17.83,40.2 16.75,41.28 D160.2 15.81,41.28 v1(14.98,40.46) ; D146.2 11.91,18.66 10.54,18.66 v1(9.54,17.66) ; v1(12.73,41.18) 12.13,41.18 D141.2 ; 17.14,22.68 v1(17.69,23.23) ; 17.14,22.68 D156.2 ; D158.2 16.19,31.94 v1(16.19,31.54) ; 16.54,5.1 v1(15.91,4.48) ; 16.54,5.1 18.14,3.5 18.14,0.87 17.92,0.66 16.66,0.66 D151.2 ; v1(13.3,3.02) 13.3,1.3 12.78,0.78 D150.2
  In1.Cu w0.127: v1(16.19,31.54) 15.24,32.48 13.54,32.48 ; 13.54,32.48 13.03,31.97 10.71,31.97 v1(10.16,31.42) ; 13.54,32.48 v1(13.54,32.63) ; v1(11.36,4.78) 12.33,3.8 13.3,3.8 ; v1(13.57,23.59) 17.33,23.59 v1(17.69,23.23) ; v1(12.73,41.18) 13.45,40.46 v1(14.98,40.46) ; 13.3,3.8 v1(13.3,3.02) ; 13.3,3.8 15.24,3.8 v1(15.91,4.48)
  In2.Cu w0.127: v1(17.69,23.23) 17.69,17.26 15.1,14.66 v1(15.1,14) 14.41,14.69 12.51,14.69 v1(9.54,17.66) ; v1(12.77,27.75) 12.2,28.33 10.36,28.33 9.75,28.94 9.75,31.01 v1(10.16,31.42) ; v1(13.54,32.63) 13.54,35.35 14.98,36.8 v1(14.98,40.46)
  Bottom w0.127: v1(16.05,9.04) 16.47,8.62 16.47,5.03 v1(15.91,4.48) ; v1(9.54,17.66) 9.54,18.6 9.19,18.94 9.19,20.05 9.48,20.34 R16.2
